# Altium PCB COEX GPS PCB.PcbDoc (continued)
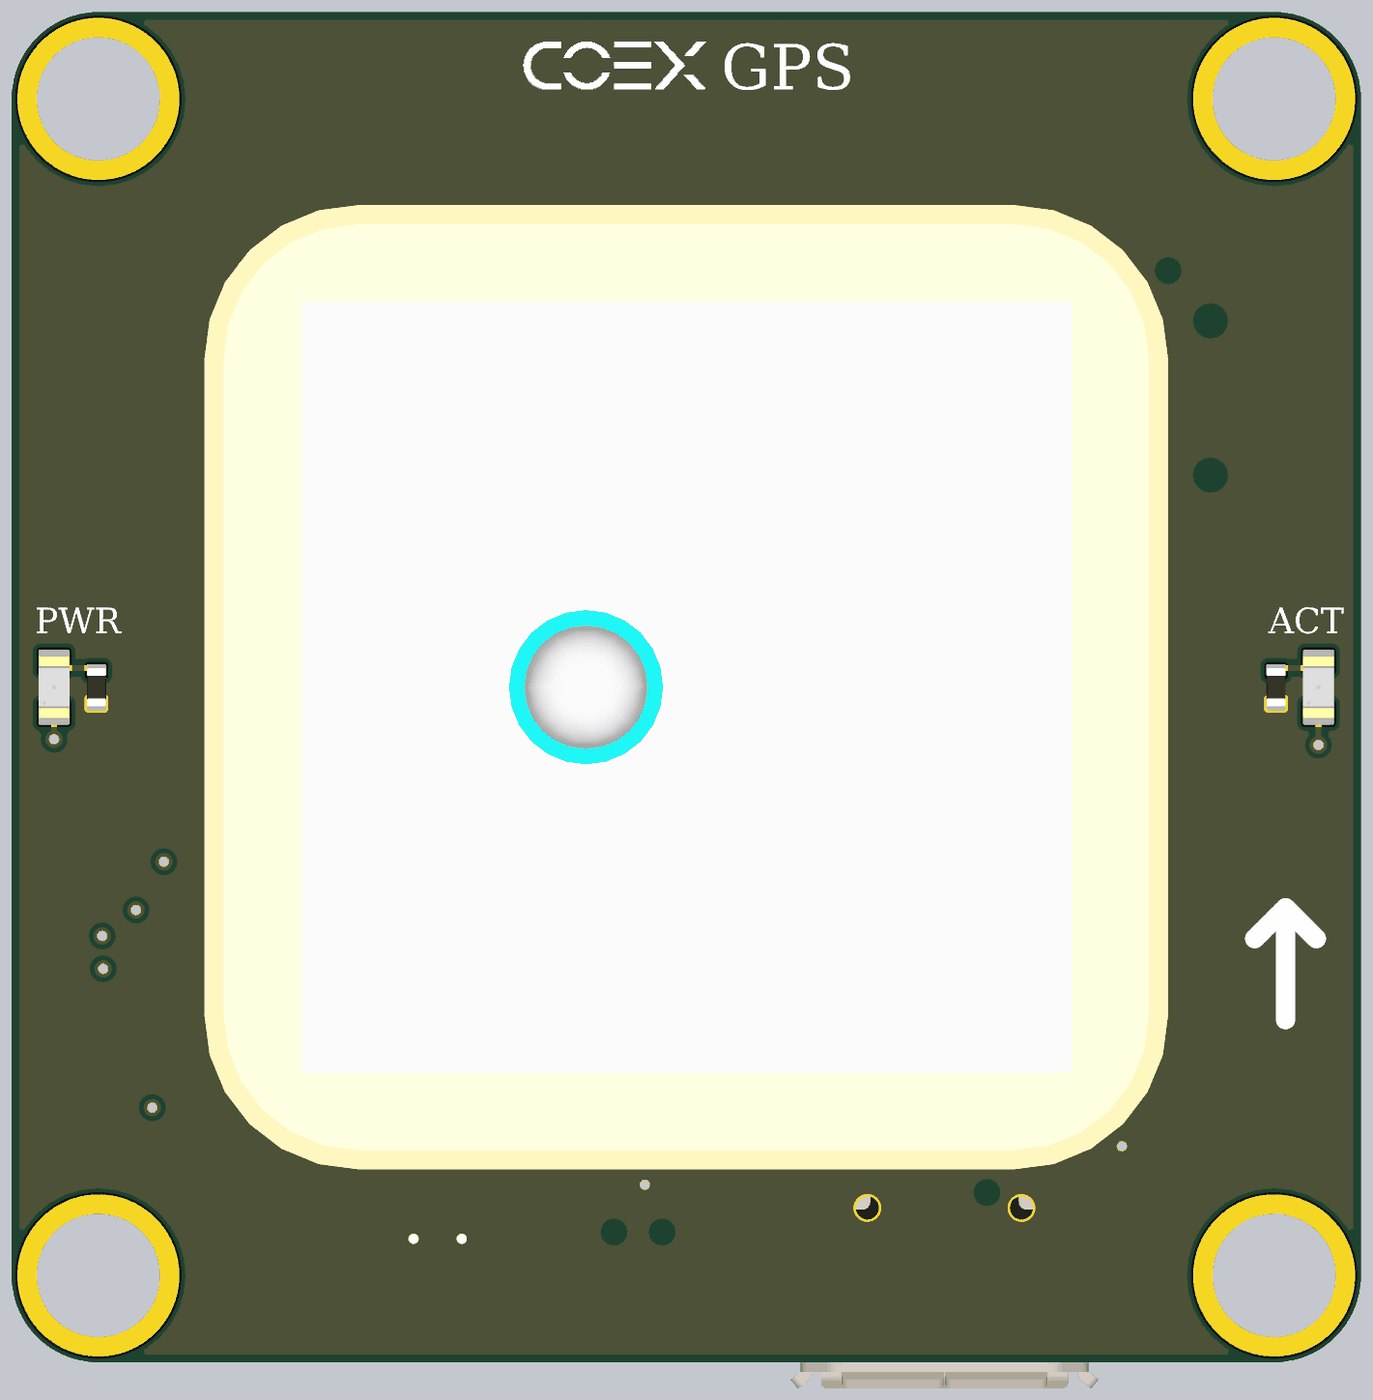
[diagram p5: 3D render of the assembled board from below, using the file's embedded part models]

## Layer stack, top to bottom
Top Solder: solder mask 0.0254, SM-001, Dk 3.8
Top L: signal copper 0.035
Prepreg: prepreg 0.2083, PP-022, Dk 4.5
IL1: signal copper 0.0175
Core: core 0.6096, Core-038, Dk 4.6
IL2: signal copper 0.0175
Prepreg2: prepreg 0.2083, PP-022, Dk 4.5
Bot. L: signal copper 0.035
Bottom Solder: solder mask 0.0254, SM-001, Dk 3.8

## Board outline
2.25,0 cw(c2.25,2.25) 0,2.25 0,32.75 cw(c2.25,32.75) 2.25,35 32.75,35 cw(c32.75,32.75) 35,32.75 35,2.25 cw(c32.75,2.25) 32.75,0

## Design rules (kind name [scope] priority, off if disabled: settings)
AcuteAngle [All] p1: minimum=6.00000000000000E+0001 checktracksonly=TRUE
BoardOutlineClearance [All] p1: gap=0.15 ignorepadtopadclearanceinfootprint=FALSE except(0: Arc-SplitContinuation Track-SplitContinuation SMDPad-SplitContinuation THPad-SplitContinuation Via-SplitContinuation Fill-SplitContinuation Poly-SplitContinuation Region-SplitContinuation Text-SplitContinuation; 0.1: Track-OutlineEdge Track-CavityEdge Track-CutoutEdge Track-SplitBarrior; 0.25: Text-OutlineEdge Text-CavityEdge Text-CutoutEdge Text-SplitBarrior)
Clearance DP [InNetClass('DP')] p1: gap=0.15 ignorepadtopadclearanceinfootprint=FALSE except(0: Arc-Hole Track-Hole SMDPad-Hole THPad-Hole Via-Hole Fill-Hole Poly-Hole Region-Hole Text-Hole; 0.09: Arc-Arc Arc-Track Arc-SMDPad Arc-THPad Track-Track Track-SMDPad Track-THPad SMDPad-SMDPad SMDPad-THPad THPad-THPad; 0.12: Via-Via Via-Fill Via-Poly Via-Region; 0.13: Arc-Via Track-Via SMDPad-Via THPad-Via; 0.2: Arc-Text Track-Text SMDPad-Text THPad-Text Via-Text Fill-Text Poly-Text Region-Text Text-Text; 0.3: Arc-Fill Arc-Poly Arc-Region Track-Fill Track-Poly Track-Region)
Clearance RF [InNetClass('RF')] p2: gap=0.3 ignorepadtopadclearanceinfootprint=FALSE except(0: Arc-Hole Track-Hole SMDPad-Hole THPad-Hole Via-Hole Fill-Hole Poly-Hole Region-Hole Text-Hole; 0.09: Arc-Arc Arc-Track Arc-SMDPad Arc-THPad Track-Track Track-SMDPad Track-THPad SMDPad-SMDPad SMDPad-THPad THPad-THPad; 0.12: Via-Via; 0.13: Arc-Via Track-Via SMDPad-Via THPad-Via; 0.15: SMDPad-Fill SMDPad-Poly SMDPad-Region Fill-Fill Fill-Poly Fill-Region Poly-Poly Poly-Region Region-Region; 0.2: Arc-Text Track-Text SMDPad-Text THPad-Text Via-Text Fill-Text Poly-Text Region-Text Text-Text; 0.4: Via-Fill Via-Poly Via-Region)
Clearance [All] p3: gap=0.15 ignorepadtopadclearanceinfootprint=FALSE except(0: Arc-Hole Track-Hole SMDPad-Hole THPad-Hole Via-Hole Fill-Hole Poly-Hole Region-Hole Text-Hole; 0.09: Arc-Arc Arc-Track Arc-SMDPad Arc-THPad Track-Track Track-SMDPad Track-THPad SMDPad-SMDPad SMDPad-THPad THPad-THPad; 0.12: Via-Via Via-Fill Via-Poly Via-Region; 0.13: Arc-Via Track-Via SMDPad-Via THPad-Via; 0.2: Arc-Text Track-Text SMDPad-Text THPad-Text Via-Text Fill-Text Poly-Text Region-Text Text-Text)
DiffPairsRouting [All] p1: maxlimit=0.254 minlimit=0.1 mostfreqgap=0.1 toplayer_minwidth=0.09 toplayer_maxwidth=0.15 toplayer_prefwidth=0.1 midlayer1_minwidth=0.09 midlayer1_maxwidth=0.15 midlayer1_prefwidth=0.1 midlayer2_minwidth=0.09 midlayer2_maxwidth=0.15 midlayer2_prefwidth=0.1 bottomlayer_minwidth=0.09 bottomlayer_maxwidth=0.15 bottomlayer_prefwidth=0.1 maxuncoupledlength=12.7
HoleSize [All] p1: absolutevalues=TRUE maxlimit=6 minlimit=0.2 maxpercent=80.000 minpercent=20.000
HoleToHoleClearance [All] p1: gap=0.4 allowstackedmicrovias=TRUE
MinimumAnnularRing [All] p1: minimumring=0.15
MinimumSolderMaskSliver [All] p1: minsoldermaskwidth=0.25
PlaneClearance [All] p1: clearance=0.15
PlaneConnect [All] p1: planeconnectstyle=Direct reliefexpansion=0.508 reliefentries=4 reliefconductorwidth=0.254 reliefairgap=0.254
PolygonConnect [All] p1: connectstyle=Direct reliefconductorwidth=0.254 reliefentries=4 polygonreliefangle="90 Angle" airgapwidth=0.254
RoutingCorners [All] p1: cornerstyle=45-Degree minsetback=1 maxsetback=1
RoutingVias [All] p1: holewidth=0.25 width=0.45 viastyle="Through Hole" minholewidth=0.2 minwidth=0.45 maxholewidth=1 maxwidth=2
SilkToSilkClearance [All] p1: silktosilkclearance=0.25
SilkToSolderMaskClearance [IsPad] p1: minsilkscreentomaskgap=0.25 clearancetoexposedcopper=TRUE
SolderMaskExpansion [All] p1: expansion=0.06 istentingtop=FALSE
UnRoutedNet [All] p1: checkbadconnections=TRUE
ViasUnderSMD [All] p1: allowed=TRUE
Width [All] p1: maxlimit=2 minlimit=0.09 preferedwidth=0.2 minimp=50.000000 maximp=50.000000 favimp=50.000000
20 further rules are at their usual default settings.

## Classes and differential pairs
net class DP: M8030_USB_N M8030_USB_P
net class RF: M8030_RFIN MAX2659_RFIN
component class "COEX GPS schematics": B1 C1 C2 C3 C4 C5 C6 C7 C8 C9 C10 C11 C12 C13 C14 C15 C16 C17 C18 C19 C20 C21 C22 C23 D1 D2 L1 L2 L3 L4 L5 L6 L7 L8 L9 L10 LED1 LED2 R1 R2 R3 R4 R5 R6 R7 R8 R9 R10 U1 U2 U3 U4 U5 U6 U7 U8 U9 X1
differential pair M8030_USB: +M8030_USB_P -M8030_USB_N

## Components (designator, comment, footprint, x,y, rotation, side; value= is the part's Value field where it differs from the comment)
B1 "XH414HG-IV01E" Supercapacitor 25.5,32.2 r270 top
C1 "10uf" "Capasitor 0402" 32.05,8.8 r270 top
C2 "10uf" "Capasitor 0402" 29.9,11.95 r270 top
C3 "10uf" "Capasitor 0402" 27.25,7.9 r270 top
C4 "10uf" "Capasitor 0402" 28.95,6.7 r180 top
C5 "10uf" "Capasitor 0402" 8.725,10.7 r180 top
C6 "10uf" "Capasitor 0402" 6.58,13.5 r0 top
C7 "470pf" "Capasitor 0402" 19.825,21.375 r90 top
C8 "100nf" "Capasitor 0402" 18.425,25.25 r0 top
C9 "100nf" "Capasitor 0402" 16.375,25.25 r180 top
C10 "15pf" "Capasitor 0402" 13.4,24.425 r0 top
C11 "100nf" "Capasitor 0402" 16.3,14.55 r270 top
C12 "2.2uf" "Capasitor 0402" 11.896,25.124 r270 top
C13 "6pf" "Capasitor 0402" 8.55,21.425 r90 top
C14 "6pf" "Capasitor 0402" 8.55,23.125 r90 top
C15 "100nf" "Capasitor 0402" 16.75,21.5 r180 top
C16 "100nf" "Capasitor 0402" 17.3,20.2 r270 top
C17 "2.2uf" "Capasitor 0402" 10.85,16 r90 top
C18 "100nf" "Capasitor 0402" 8.9,24.95 r90 top
C19 "100nf" "Capasitor 0402" 10.9,25.3 r90 top
C20 "100nf" "Capasitor 0402" 9.9,16 r270 top
C21 "100nf" "Capasitor 0402" 7.95,16.8 r270 top
C22 "100nf" "Capasitor 0402" 7.975,18.75 r90 top
C23 "100nf" "Capasitor 0402" 6.58,14.55 r0 top
D1 "*" SOD-523F 27.475,28.4 r90 top
D2 "*" SOD-523F 7.725,5.6 r90 top
Des73 "Comment" "GPD PATCH ANTENNA (25x25 mm)" 17.5,17.5 r270 bottom locked
L1 "" "Ferrite bead 0402" 28.85,11.95 r270 top
L2 "" "Ferrite bead 0402" 32.05,7.05 r90 top
L3 "" "Ferrite bead 0402" 19.057,23.218 r135 top value=6.8nh
L4 "" "Ferrite bead 0402" 16.3,20.2 r270 top
L5 "" "Ferrite bead 0402" 6.975,16.8 r90 top
L6 "" "Ferrite bead 0402" 8.925,16 r90 top
L7 "" "Ferrite bead 0402" 7,18.75 r90 top
L8 "" "Ferrite bead 0402" 7.9,24.95 r90 top
L9 "" "Ferrite bead 0402" 9.9,25.3 r90 top
L10 "" "Ferrite bead 0402" 18.425,26.25 r0 top
LED1 "" "Led 0603" 33.9,17.5 r270 bottom
LED2 "" "Led 0603" 1.1,17.5 r270 bottom
R1 "2.2k" "Resistor 0402" 31.05,11.925 r270 top
R2 "2.2k" "Resistor 0402" 32.05,10.625 r270 top
R3 "10k" "Resistor 0402" 15.95,26.55 r90 top
R4 "220" "Resistor 0402" 20.825,6.55 r90 top
R5 "220" "Resistor 0402" 22.075,6.55 r90 top
R6 "10k" "Resistor 0402" 27.125,27.3 r0 top
R7 "220" "Resistor 0402" 32.8,17.5 r270 bottom
R8 "220" "Resistor 0402" 2.2,17.5 r270 bottom
R9 "22" "Resistor 0402" 8.4,6.6 r180 top
R10 "22" "Resistor 0402" 8.4,7.5 r180 top
T1 "Comment" "RF SHIELD CLIP" 23.6,19.1 r90 top
T2 "Comment" "RF SHIELD CLIP" 14.5,10 r0 top
T3 "Comment" "RF SHIELD CLIP" 5.4,19.1 r90 top
T4 "Comment" "RF SHIELD CLIP" 14.5,28.2 r0 top
U1 "QMC5883L" "LGA16 3x3mm" 29.65,9.1 r270 top
U2 "" "QFN40 (5x5 mm)" 11.95,20.675 r270 top
U3 "JST-GH 6" "JST-GH 6 PIN" 22.7,2.625 r180 top
U4 "LP5907" SOT23-5 9.2,13.1 r270 top value=1.2-3.3v
U5 "MAX2659ELT+T" "UDFN6 (1.5 x 1 mm)" 17.275,23.45 r180 top
U6 "SAFEA1G58KA0F00R15" SAFEA1G58KA0F00 20.1,19.575 r90 top
U7 "X1G004171003400" SMD-2520_4P 13.844,26.166 r270 top value="26 Mhz"
U8 "W25Q16JV" "USON-8 (4x3 mm)" 13.5,15.35 r270 top
U9 "" "Micro USB" 10.801,2.064 r180 top
X1 "D31-032768-BDTD41" "SMD 3215 OSC" 7.15,22.275 r90 top

## Footprints (in the part's own frame and the unit in brackets; to place one, negate y for a bottom-side part, rotate by r counter-clockwise, add the part's x,y. Pads: shape width x height; smd on the part's side, far side on the other; paste and mask are expansions set on the pad)
"Capasitor 0402" [mm]
  rrect15% 0.4x0.6 smd mask+0.08: 1(-0.475,0) 2(0.475,0)
  body extent -0.5,-0.25 0.5,0.25, height 0.45
"Ferrite bead 0402" [mm]
  rrect15% 0.4x0.6 smd mask+0.08: 1(-0.45,0) 2(0.45,0)
  body extent -0.5,-0.25 0.5,0.25, height 0.5
"GPD PATCH ANTENNA (25x25 mm)" [mm]
  round 1.4 hole 1: 1(0,-2.6)
  body extent -12.5,-12.5 12.5,12.5, height 5
"JST-GH 6 PIN" [mm]
  rrect30% 0.5x1.5 smd: 1(3.125,-1.975) 2(1.875,-1.975) 3(0.625,-1.975) 4(-0.625,-1.975) 5(-1.875,-1.975) 6(-3.125,-1.975)
  rrect10% 1x2.7 smd: 7(-5,1.034) 7(5,1.034)
  body extent -5.38,-2.5 5.37,2.35, height 4.25
"Led 0603" [mm]
  rrect15% 0.6x0.8 smd: 1(-0.675,0) 2(0.675,0)
  silkscreen extent -0.2,-0.3 0.05,0.3, body extent -0.8,-0.4 0.8,0.4, height 0.35
"LGA16 3x3mm" [mm]
  rrect50% 0.4x0.25 smd: 1(-1.35,0.75) 2(-1.35,0.25) 3(-1.35,-0.25) 4(-1.35,-0.75) 9(1.35,-0.75) 10(1.35,-0.25) 11(1.35,0.25) 12(1.35,0.75)
  rrect50% 0.25x0.4 smd: 5(-0.75,-1.35) 6(-0.25,-1.35) 7(0.25,-1.35) 8(0.75,-1.35) 13(0.75,1.35) 14(0.25,1.35) 15(-0.25,1.35) 16(-0.75,1.35)
  silkscreen extent -1.8,1.6 -1.6,1.8, body extent -1.5,-1.5 1.5,1.5, height 0.9
"Micro USB" [mm]
  rrect20% 0.4x1 smd: 1(1.3,-2.325) 2(0.65,-2.325) 3(0,-2.325) 4(-0.651,-2.325) 5(-1.301,-2.325)
  rrect5% 1.5x1.2 smd: 5(-3.35,0.164) 5(3.35,0.164)
  rrect5% 1x0.8 smd: 5(-3.002,-1.984) 5(3,-1.987)
  rrect5% 1.8x1.9 smd paste-0.15: 5(-1.099,0.164) 5(1.1,0.164)
  round 0.6 hole 0.6: 6(-2.001,-1.937) 6(1.997,-1.936)
  body extent -3.99,-2.69 3.99,2.74, height 2.73
"QFN40 (5x5 mm)" [mm]
  rrect30% 0.55x0.2 smd: 1(-2.373,1.794) 2(-2.373,1.394) 3(-2.373,0.994) 4(-2.373,0.594) 5(-2.373,0.194) 6(-2.373,-0.206) 7(-2.373,-0.606) 8(-2.373,-1.006) 9(-2.373,-1.391) 10(-2.373,-1.791) 21(2.377,-1.791) 22(2.377,-1.391) 23(2.377,-1.006) 24(2.377,-0.606) 25(2.377,-0.206) 26(2.377,0.194) 27(2.377,0.594) 28(2.377,0.994) 29(2.377,1.394) 30(2.377,1.794)
  rrect30% 0.2x0.55 smd: 11(-1.791,-2.377) 12(-1.391,-2.377) 13(-1.006,-2.377) 14(-0.606,-2.377) 15(-0.206,-2.377) 16(0.194,-2.377) 17(0.594,-2.377) 18(0.994,-2.377) 19(1.394,-2.377) 20(1.794,-2.377) 31(1.791,2.377) 32(1.391,2.377) 33(1.006,2.377) 34(0.606,2.377) 35(0.206,2.377) 36(-0.194,2.377) 37(-0.594,2.377) 38(-0.994,2.377) 39(-1.394,2.377) 40(-1.794,2.377)
  rrect5% 3.3x3.3 smd: 41(0,0)
  silkscreen extent -2.73,2.57 -2.57,2.73, body extent -2.51,-2.51 2.51,2.51, height 0.63
"Resistor 0402" [mm]
  rrect25% 0.35x0.5 smd: 1(-0.425,0) 2(0.425,0)
  body extent -0.5,-0.25 0.5,0.25, height 0.35
"RF SHIELD CLIP" [mm]
  rrect10% 0.75x0.8 smd: 1(-2.875,0) 1(2.875,0)
  rrect10% 1.6x0.8 smd: 1(0,0)
  body extent -3.25,-0.46 3.25,0.47, height 1.28
SAFEA1G58KA0F00 [mm]
  rrect20% 0.25x0.35 smd: 1(-0.5,0)
  rrect20% 0.25x0.325 smd: 2(0,-0.285) 3(0.5,-0.285) 4(0.5,0.285) 5(0,0.285)
  silkscreen extent -0.9,-0.72 -0.75,-0.58
"SMD 3215 OSC" [mm]
  rrect10% 0.65x1.3 smd: 1(-1.175,0) 2(1.175,0)
  body extent -1.6,-0.75 1.6,0.75, height 0.8
SMD-2520_4P [mm]
  rrect20% 0.65x0.65 smd: 1(-0.65,0.9) 2(-0.65,-0.9) 3(0.65,-0.9) 4(0.65,0.9)
  silkscreen extent -1.26,1.44 -1.19,1.51, body extent -1,-1.25 1,1.25, height 0.69
SOD-523F [mm]
  rrect30% 0.4x0.5 smd: 1(0,0.775) 2(0,-0.775)
  silkscreen extent -0.3,-0.12 0.3,0.18, body extent -0.45,-0.83 0.45,0.87, height 0.7
SOT23-5 [mm]
  rrect50% 0.7x0.5 smd mask+0.06: 1(1.45,-0.95) 2(1.45,0) 3(1.45,0.95) 4(-1.45,0.95) 5(-1.45,-0.95)
  silkscreen extent 0.27,-1.03 0.43,-0.87, body extent -1.6,-1.5 1.6,1.5, height 0.91
Supercapacitor [mm] "XH414HG-IV01E"
  rrect15% 0.8x1.8 smd rot 45: 1(2.05,2.05)
  rrect15% 3.5x1 smd: 2(0.7,-1.95)
  Top L region: 3.575,1.725
  body extent -2.4,-2.4 2.4,2.4, height 1.63
"UDFN6 (1.5 x 1 mm)" [mm]
  rrect20% 0.4x0.25 smd: 1(-0.35,0.5) 2(-0.35,0) 3(-0.35,-0.5) 4(0.35,-0.5) 5(0.35,0) 6(0.35,0.5)
  silkscreen extent -0.65,0.85 -0.6,0.9
"USON-8 (4x3 mm)" [mm]
  rrect30% 0.7x0.3 smd: 1(-1.25,1.2) 2(-1.25,0.4) 3(-1.25,-0.4) 4(-1.25,-1.2) 5(1.25,-1.2) 6(1.25,-0.4) 7(1.25,0.4) 8(1.25,1.2)
  rrect30% 0.2x0.8 smd: 9(0,0.8) 9(0,-0.8)
  silkscreen extent -1.79,2.11 -1.61,2.29, body extent -1.5,-2 1.5,2, height 0.55

## Part data
B1: library part "Lithium battery", "80mF (EDLC) Supercapacitor 3.3V Coin", Manufacturer="Seiko Instruments", HelpURL=https://www.digikey.com/product-detail/en/seiko-instruments/XH414HG-IV01E/728-1050-2-ND/1889201, Partnumber=XH414HG-IV01E
C1 C2 C3 C4 C5 C6 C7 C8 C9 C10 C11 C12 C15 C16 C17 C18 C19 C20 C21 C22 C23: library part "CAPASITOR MLCC", Component package=0402
C13 C14: library part "Capacitor MLCC", Component package=0402
D1 D2: library part "Schottky barrier diode"
L1 L2 L3 L4 L5 L6 L7 L8 L9 L10: library part "FB / Inductor"
LED1 LED2: library part LED, Component package=0603
R1 R2 R4 R5 R7 R8 R9 R10: library part Resistor
R3 R6: library part Resistor, Component package=0402, Manufacturer=YAGEO, Part number=RC0402FR-0710KL, HelpURL=https://lcsc.com/product-detail/Chip-Resistor-Surface-Mount_10KR-1002-1_C60490.html
U1: "3-Axis Magnetic Sensor", Component package="LGA16 (3x3 mm)", Partnumber=QMC5883L
U2: library part "UBX M8030"
U4: "Linear Voltage Regulators SOT-23-5", Component package=SOT23-5, Manufacturer="Texas Instruments", HelpURL=https://lcsc.com/product-detail/Linear-Voltage-Regulators_TI_LP5907MFX-3-3-NOPB_LP5907MFX-3-3-NOPB_C80670.html, Partnumber=LP5907
U5: "GPS/GNSS Low-Noise Amplifier", Component package=uDFN-6, Manufacturer="Maxim Integrated", HelpURL=https://lcsc.com/product-detail/Low-Noise-OpAmps_MAXIM_MAX2659ELT-T_MAX2659ELT-T_C28043.html, Partnumber=MAX2659ELT+T
U6: Manufacturer="Murata Electronics", HelpURL=https://lcsc.com/product-detail/Filters_muRata_SAFEA1G58KA0F00R15_SAFEA1G58KA0F00R15_C91641.html, Partnumber=SAFEA1G58KA0F00R15
U7: library part SIT1602, "26MHz 1.6V ~ 3.6V SMD-2520_4P SMD Oscillator", Component package=SMD-2520_4P, Manufacturer="Seiko Epson", HelpURL=https://lcsc.com/product-detail/Others_Seiko-Epson_X1G004171003400_Seiko-Epson-X1G004171003400_C255995.html, Partnumber=X1G004171003400
U8: "FLASH - NOR Memory IC 16Mb (2M x 8) SPI - Quad I/O", Manufacturer="Winbond Electronics", HelpURL=https://www.digikey.com/products/en/integrated-circuits-ics/memory/774?k=W25Q16JV&k=&pkeyword=W25Q16JV&sv=0&pv1291=295148&sf=0&quantity=&ColumnSort=0&page=1&pageSize=25, Partnumber=W25Q16JV
U9: library part "Micro USB"
X1: library part "SMD OSCILLATOR 2 PIN", "SMD crystal resonator 3215 2 pin", Component package=SMD-3215, Manufacturer=AKER, HelpURL=https://lcsc.com/product-detail/SMD-Crystal-Resonators_AKER-D31-032768-BDTD41_C369191.html, Partnumber=D31-032768-BDTD41
U3: Component package="JST-GH 6", Partnumber="JST-GH 6"

## Free pads (board coordinates)
  round 4.2 hole 3.2: M3(2.25,2.25) M3(2.25,32.75) M3(32.75,2.25) M3(32.75,32.75)

## Via types
v1: diameter 0.45, hole 0.25, Top L to Bot. L, tented both sides, 55 vias
v2: diameter 0.45, hole 0.3, Top L to Bot. L, tented both sides, 48 vias

## Nets (pads, with @x,y where several pads share a name; then routed paths per layer and width w, separated by ;. In a path a pad name is that pad's centre, name@x,y a point inside that pad or via, vN(x,y) a via of type N, cw(c..) or ccw(c..) an arc to the next point about the centre after c; other vN are vias at no path point)
5V: C5.2 D2.1 D2.2 U3.1 U4.1 U4.3 U9.1 | length 24
  Top L w0.2: v1@6.2,5.6 D2.1 ; v1(8.25,9.6) 8.25,10.625 U4.1 ; D2.2 9.2,5.6 9.501,5.299 U9.1 ; v1(18.575,4.6) U3.1
  IL1 w0.2: v1(6.2,5.6) 7.1,5.6 8.25,6.75 v1(8.25,9.6)
  IL2 w0.2: v1(6.2,5.6) 7.2,4.6 v1(18.575,4.6)
GND: B1.2 C1.1 C2.1 C4.2 C5.1 C6.1 C8.2 C9.1 C10.2 C11.1 C12.1 C13.1 C14.2 C15.1 C16.1 C17.1 C18.2 C19.2 C20.2 C21.2 C22.2 C23.1 R7.2 R8.2 T1.1 T2.1 T3.1 T4.1 U1.9 U1.11 U2.41 U3.6 U3.7 U4.2 U4.4 U5.1 U5.2 U6.2 U6.3 U6.5 U7.2 U8.4 U8.9 U9.5
  other v1: 10.897,19.628 11.597,19.628 12.297,19.628 12.997,19.628 10.897,20.328 11.597,20.328 12.297,20.328 12.997,20.328 10.897,21.028 11.597,21.028 12.297,21.028 12.997,21.028 10.897,21.728 11.597,21.728 12.297,21.728 12.997,21.728
  other v2: 20.12,16.26 19.669,16.341 20.568,16.362 19.277,16.576 20.957,16.608 18.997,16.943 21.217,16.985 18.877,17.379 21.33,17.424 18.907,17.834 21.277,17.877 19.116,18.24 21.056,18.273 19.393,18.604 20.812,18.654 19.386,19.06 20.816,19.113 19.148,19.905 19.094,20.358 20.526,20.47 19.094,20.813 20.54,20.924 19.126,21.274 20.524,21.38 19.103,21.738 20.538,21.834 15.924,22.153 19.061,22.193 16.374,22.241 16.842,22.253 20.518,22.291 17.254,22.462 18.754,22.532 20.397,22.731 18.431,22.859 20.157,23.114 18.089,23.172 14.596,23.177 15.041,23.265 19.833,23.438 15.432,23.513 15.874,23.642 16.336,23.672 19.506,23.757 19.193,24.093 18.846,24.391 18.429,24.597
M8030_DSEL: U2.33
M8030_EXTINT: U2.14
M8030_LNAEN: U2.37
M8030_MAINCLK: C10.1 U2.3 U7.3 | length 2.5
  Top L w0.15: U2.3@12.925,23.025 12.944,23.044 U2.3 12.944,24.248 U7.3
M8030_RESETN: U2.17
M8030_RFIN: U2.40 U5.6 | length 2.2
  Top L w0.34: 14.65,22.469 14.917,22.469 ccw(c14.917,23.258) 15.475,22.7 cw(c16.079,22.096) 16.079,22.95 U5.6@16.725,22.95
M8030_RTC_XI: C14.1 U2.11 X1.2 | length 2.3
  Top L w0.15: X1.2@7.625,23.3 8.15,22.775 8.45,22.775 8.55,22.675 9,22.675 9.2,22.475 9.564,22.475 U2.11
M8030_RTC_XO: C13.2 U2.12 X1.1 | length 2.3
  Top L w0.15: X1.1@7.625,21.25 7.725,21.35 8.15,21.775 8.45,21.775 8.55,21.875 9,21.875 9.191,22.066 U2.12
M8030_SAFEBOOT: U2.34
M8030_SCL: U2.31
M8030_SDA: U2.32
M8030_TIMEPULSE: LED2.1 LED2.2 R8.1 U2.35 | length 22
  Top L w0.15: U2.35 14.769,20.469 v1(15.125,20.825)
  IL1 w0.15: v1(1.1,16) 1.1,18.625 5.15,22.675 13.275,22.675 v1(15.125,20.825)
  Bot. L w0.15: v1(1.1,16) LED2.2@1.1,16.8 ; LED2.1 1.275,18 R8.1@2.15,18
M8030_UART_RX: R4.1 R4.2 U2.18 U3.2 | length 22
  Top L w0.15: v1@8.8,19.8 8.856,19.8 8.975,19.681 U2.18 ; U3.2@20.825,4.475 R4.1 ; R4.2 v1(20.825,8.4)
  IL1 w0.15: v1(8.775,19.8) 8.3,19.325 8.3,18.725 12.7,14.325 14.2,14.325 20.125,8.4 v1(20.825,8.4)
M8030_UART_TX: R5.1 R5.2 U2.19 U3.3 | length 21.7
  Top L w0.15: v1(8.775,19.15) 8.856,19.15 8.987,19.281 U2.19 ; U3.3@22.075,4.475 R5.1 ; R5.2 v1(22.075,8.4)
  IL1 w0.15: v1(8.775,19.15) 13.075,14.85 14.75,14.85 20.285,9.315 21.159,9.315 v1(22.075,8.4)
M8030_USB_N: R9.1 R9.2 U2.8 U9.2 | length 44.3
  Top L w0.15: v1(6.4,6.7) 6.413,6.7 6.638,6.925 6.811,6.925 7,6.925 7.604,6.925 7.787,6.925 7.875,6.837 7.875,6.7 R9.2 ; R9.1 8.925,6.7 8.925,6.837 9.013,6.925 9.218,6.925 9.7,6.925 10.351,6.274 10.351,5.114 10.351,4.889 10.151,4.689 U9.2 ; U2.8 10.95,23.054 v1@10.95,23.775
  IL2 w0.15: v1(6.4,6.7) 6.387,6.7 6.162,6.925 5.989,6.925 4.921,6.925 1.55,10.296 1.55,27.004 3.696,29.15 9.304,29.15 10.65,27.804 10.65,24.419 10.65,24.113 10.975,23.787 v1(10.975,23.775)
M8030_USB_P: R10.1 R10.2 U2.10 U9.3 | length 43.6
  Top L w0.15: v1(6.4,7.4) 6.413,7.4 6.638,7.175 6.915,7.175 7.5,7.175 7.787,7.175 7.875,7.263 7.875,7.4 R10.2 ; R10.1 8.925,7.4 8.925,7.263 9.013,7.175 9.321,7.175 9.804,7.175 10.601,6.377 10.601,5.217 10.601,4.889 10.801,4.689 U9.3 ; v1(10.075,23.8) 10.075,23.719 10.159,23.635 U2.10
  IL2 w0.15: v1(6.4,7.4) 6.387,7.4 6.162,7.175 5.885,7.175 5.025,7.175 1.8,10.4 1.8,26.9 3.8,28.9 9.2,28.9 10.4,27.7 10.4,24.522 10.4,24.112 10.087,23.8 v1(10.075,23.8)
M8030_VBCKP: B1.1 D1.1 R6.1 R6.2 U2.6 | length 23.1
  Top L w0.15: U2.6 11.744,23.791 11.87,23.917 v1(11.87,23.998) ; R6.1 D1.1 26.7,29.3 B1.1 ; R6.2@27.6,27.3 v1(28.3,27.3)
  IL2 w0.15: v1(11.87,23.998) 15.671,27.8 27.8,27.8 v1(28.3,27.3)
MAX2659_RFIN: C7.1 C7.2 Des73.1 L3.1 L3.2 U5.3 U6.1 U6.4 | length 4.6
  Top L w0.34: 17.825,23.95 18.005,23.95 cw(c18.005,23.178) 18.551,23.724 L3.2 ; L3.1 19.58,22.695 cw(c18.988,22.103) 19.825,22.103 C7.2@19.825,21.825 ; U6.4@19.815,20.175 19.815,20.915 C7.1@19.825,20.925 ; Des73.1 Des73.1@20.1,17.575 ; U6.1@20.1,19 Des73.1@20.1,17.575 ; Des73.1@20.125,17.55 Des73.1@20.1,17.575
ME6209_3.3V: C6.2 C8.1 C9.2 C11.2 C18.1 C19.1 C20.1 C21.1 C22.1 C23.2 D1.2 L1.1 L2.1 L5.1 L5.2 L6.1 L6.2 L7.1 L7.2 L8.1 L8.2 L9.1 L9.2 L10.1 L10.2 LED1.1 LED1.2 R1.1 R2.1 R3.1 R7.1 U2.7 U2.9 U2.21 U2.22 U2.23 U4.5 U5.4 U5.5 U7.4 U8.8 | length 252.7
  Top L w0.15: v1@6.975,15.65 v1(6.975,15.675) L5.1 ; L7.1 U2.21@10.15,18.3 ; L7.2 v1(7,19.875) ; v1(7.2,25.4) L8.2 ; C21.1@7.95,17.25 10.15,17.25 10.559,17.659 U2.22 ; L8.1@8,24.5 9,24.5 9.225,24.275 10.25,24.275 10.5,24.025 10.5,23.983 10.505,23.978 10.505,23.545 10.55,23.5 10.55,23.125 U2.9@10.525,23.1 ; v1(8.925,14.875) L6.1 ; L6.2 C20.1@9.9,16.45 ; v1(9.4,26.5) 9.813,26.087 9.813,25.837 L9.2 ; L9.1@9.9,24.9 9.95,24.85 C19.1@10.9,24.85 ; C20.1@10,16.475 10.025,16.475 10.125,16.575 10.125,16.6 10.944,17.419 U2.23 ; C19.1@11,24.7 11,24.5 11.162,24.337 11.425,24.075 11.425,23.5 11.35,23.425 11.35,23.2 U2.7@11.325,23.175 ; U8.8 v1(17,14.1) ; U7.4 15.209,25.516 15.475,25.25 C9.2 15.925,25.25 R3.1@15.925,26.125 ; R3.1@15.925,26.1 R3.1 v1(16.7,26.125) ; U5.5 U5.4 16.925,24.2 C8.1@17.912,25.187 ; C8.1 17.975,25.275 L10.1 ; v1(18.875,27) L10.2 L10.2@18.9,26.225 ; D1.2@28.2,28.4 D1.2 v1(29,28.4) ; L1.1 v1(28.85,13.025) ; v1(31.05,12.975) 31.05,12.4 R1.1@31.075,12.375 ; v1(31.35,6.6) L2.1 L2.1@32.125,6.6 ; R2.1@32,11.05 R2.1 v1(32.65,11.05)
  Top L w0.2: C23.2 C6.2 7.055,12.113 7.25,11.918 v2(7.25,11.875) ; C23.2 U4.5
  IL2 w0.15: v1(6.975,15.675) 7.25,15.4 v2(7.25,11.875) ; v1(7,19.875) 6.25,19.125 6.25,12.875 v2(7.25,11.875) ; v1(7.2,25.4) 7.194,25.394 4.725,22.925 4.725,12.175 5.675,11.225 6.6,11.225 v2(7.25,11.875) ; v1@8.9,14.875 8.925,14.85 8.925,12.075 8.725,11.875 ; v1(9.4,26.5) 9.4,26 5.425,22.025 5.425,12.65 6.2,11.875 v2(7.25,11.875) ; v1(16.7,26.125) 17.775,25.05 22.475,25.05 25.15,22.375 25.15,22.3 ; v1(17,14.1) 16.225,14.1 13.475,11.35 10.25,11.35 ; v1(18.875,27) 18.775,26.9 15.725,26.9 11.875,23.05 9.525,23.05 7.975,21.5 7.975,12.6 v2(7.25,11.875) ; 27.675,6.075 27.675,6.05 ; v1(28.85,13.025) 23.575,7.75 18.45,7.75 ; v1(29,28.4) 29,26.15 25.15,22.3 ; v1(31.05,12.975) 31.475,12.975 32.65,11.8 v1(32.65,11.05) 34.425,9.275 34.45,9.275 ; v1@31.375,6.6 31.025,6.95 12.175,6.95 v2(7.25,11.875) ; v1(33.9,16.15) 34.45,15.6 34.45,9.275 ; v2(7.25,11.875) 7.25,9.55 10.75,6.05 27.675,6.05 ; v2(7.25,11.875) 8.725,11.875 ; 8.725,11.875 8.75,11.875 9.275,11.35 10.25,11.35 ; 10.25,11.35 13.85,7.75 18.45,7.75 ; 18.45,7.75 25.15,14.45 25.15,22.3 ; 27.675,6.05 32.525,6.05 34.45,7.975 34.45,9.275
  Bot. L w0.15: R7.1@32.75,18 33.725,18 LED1.1 ; LED1.2@33.875,16.8 33.9,16.775 v1(33.9,16.15)
NetC3_1: C3.1 U1.8 | length 1
  Top L w0.2: C3.1@27.3,8.375 27.325,8.35 U1.8
NetC3_2: C3.2 U1.12 | length 4
  Top L w0.2: C3.2@27.15,7.5 27.2,7.45 27.25,7.45 28,7.45 28.767,8.217 30.233,8.217 30.394,8.056 30.394,7.756 U1.12
NetC12_2: C12.2 U2.5 | length 1.9
  Top L w0.15: C12.2@11.896,24.674 11.996,24.674 12.321,24.349 12.321,23.746 12.144,23.569 U2.5
NetC15_2: C15.2 L4.1 U2.1 U2.39 | length 4.4
  Top L w0.15: U2.1@13.75,23.025 13.75,22.625 13.8,22.575 13.8,22.25 13.981,22.069 U2.39 15.031,22.069 15.6,21.5 16.2,21.5 C15.2@16.3,21.6 ; L4.1@16.3,20.7 C15.2@16.3,21.5
NetC16_2: C16.2 L4.2 U2.38 | length 5.1
  Top L w0.15: U2.38 14.931,21.669 15.7,20.9 15.7,20.4 15.9,20.2 16.8,20.2 17.075,19.925 17.075,19.875 17.15,19.8 C16.2@17.2,19.8 ; L4.2@16.175,19.875 L4.2 L4.2@16.35,19.75 ; L4.2@16.3,19.8 L4.2@16.35,19.75 ; C16.2@17.2,19.7 17.15,19.75 L4.2@16.35,19.75
NetC17_2: C17.2 U2.24 | length 2.1
  Top L w0.15: C17.2@10.85,16.45 10.95,16.45 11.35,16.85 U2.24@11.35,18.3
QMC5883_C1: C4.1 U1.10 | length 1
  Top L w0.2: C4.1@29.4,6.725 U1.10
QMC5883_SCL: R1.2 U1.1 U3.4 | length 18.5
  Top L w0.15: U1.1 30.4,10.875 R1.2@30.925,11.4 ; R1.2 31.125,11.5 31.2,11.575 31.2,11.608 31.317,11.725 v1(31.775,11.725)
  Top L w0.2: v1(23.325,3.2) U3.4
  IL1 w0.2: v1(23.325,3.2) 23.325,8.575 26.475,11.725 v1(31.775,11.725)
QMC5883_SDA: R2.2 U1.16 U3.5 | length 16.9
  Top L w0.15: U1.16 31.35,9.85 31.7,10.2 R2.2@31.95,10.2 ; R2.2@32,10.2 R2.2 v1(32.625,10.2)
  Top L w0.2: v1(24.575,3.2) U3.5
  IL1 w0.2: v1(24.575,3.2) 24.575,7.988 26.762,10.175 v1@32.625,10.175
QMC5883_VDD: C2.2 L1.2 U1.2 | length 2.2
  Top L w0.15: L1.2@28.825,11.5 C2.2@29.9,11.5 ; C2.2@29.875,11.6 29.9,11.575 C2.2@29.9,11.5 ; U1.2 C2.2@29.9,11.5
QMC5883_VDDIO: C1.2 L2.2 U1.4 U1.13 | length 5.2
  Top L w0.15: U1.4 28.9,10.125 30.675,8.35 U1.13 32,8.35 C1.2@32.075,8.35 ; C1.2@32.05,8.35 C1.2@32.075,8.35 ; C1.2@32.125,8.4 C1.2@32.075,8.35
  Top L w0.2: C1.2@32,8.35 32.05,8.3 L2.2
ST: R3.2 U7.1 | length 1.3
  Top L w0.15: U7.1@14.75,26.825 15.325,26.825 15.475,26.975 R3.2
W25Q16_CLK: U2.26 U8.6 | length 6.2
  Top L w0.15: U2.26 12.144,17.914 12.255,17.803 12.255,17.576 12.35,17.481 v1@12.35,17.375 ; U8.6@13.075,14.1 13.1,14.075 v1(13.1,13.3)
  IL2 w0.15: v1(12.375,17.375) 12.375,14.025 v1(13.1,13.3)
W25Q16_CS: U2.29 U8.1 | length 2.6
  Top L w0.15: U2.29 13.344,17.945 13.7,17.589 14.361,17.589 14.7,17.25 U8.1
W25Q16_DI: U2.25 U8.5 | length 6.1
  Top L w0.15: v1@11.7,17.6 11.768,17.668 11.768,17.764 11.744,17.787 U2.25 ; v1(12.3,13.3) U8.5
  IL2 w0.15: v1(11.825,17.625) 11.825,13.775 v1(12.3,13.3)
W25Q16_DO: U2.28 U8.2 | length 2
  Top L w0.15: U2.28 12.944,17.894 13.844,16.994 U8.2@13.844,16.7
W25Q16_RESET: U2.30 U8.7 | length 6.7
  Top L w0.15: U2.30 14.245,18.298 14.379,18.165 v1(14.46,18.165) ; v1(13.9,13.3) U8.7@13.9,14.125
  IL2 w0.15: v1(13.9,13.3) 13.9,17.625 v1@14.45,18.175
W25Q16_WP: U2.27 U8.3 | length 1.9
  Top L w0.15: U2.27 12.544,17.845 13.1,17.289 U8.3
pads on no net: U1.3 U1.5 U1.6 U1.7 U1.14 U1.15 U2.2 U2.4 U2.13 U2.15 U2.16 U2.20 U2.36 U9.4 U9.6

## Polygon pours and split planes (outlines as drawn)
GND on Top L "Top L-No Net" (solid, remove dead copper, shelved, pour order 0): 2.25,0 cw(c2.25,2.25) 0,2.25 0,32.75 cw(c2.25,32.75) 2.25,35 32.75,35 cw(c32.75,32.75) 35,32.75 35,2.25 cw(c32.75,2.25) 32.75,0
GND on IL1 "Top L-No Net1" (solid, remove dead copper, shelved, pour order 1): 2.25,0 cw(c2.25,2.25) 0,2.25 0,32.75 cw(c2.25,32.75) 2.25,35 32.75,35 cw(c32.75,32.75) 35,32.75 35,2.25 cw(c32.75,2.25) 32.75,0
GND on IL2 "IL1-No Net" (solid, remove dead copper, shelved, pour order 2): 2.25,0 cw(c2.25,2.25) 0,2.25 0,32.75 cw(c2.25,32.75) 2.25,35 32.75,35 cw(c32.75,32.75) 35,32.75 35,2.25 cw(c32.75,2.25) 32.75,0
GND on Bot. L "IL2-No Net" (solid, remove dead copper, shelved, pour order 3): 2.25,0 cw(c2.25,2.25) 0,2.25 0,32.75 cw(c2.25,32.75) 2.25,35 32.75,35 cw(c32.75,32.75) 35,32.75 35,2.25 cw(c32.75,2.25) 32.75,0

## Keep-outs
Keep-Out Layer:
  the board outline again, w0.1

## Other copper
Top L:
  pour cut-out: 33,11.1 33,10.1 32.9,10.2 32.7,10.2 32.7,10.9 32.8,11
  pour cut-out: 19.371,21.655 19.371,21.095 20.279,21.095 20.279,21.655
  pour cut-out: 18.538,23.095 18.934,22.7 19.575,23.341 19.18,23.737

## Silkscreen, mask and mechanical layers (free items; w line width, h text height)
Top Overlay:
  text "Gusakov N.I." at 0.5,28.5 h1.3 r270
  text "Rev. 1.1" at 0.5,9.5 h1.3 r270
  text "UART/I2C" at 29,5.1 h1.5 r270
  text "USB" at 6,1.5 h1.5 r90
Bottom Overlay:
  drawing of 208 lines, arcs and shapes, not listed
  text "GPS" at 16.6,33 h2.3
  text "ACT" at 2.4,18.9 h1.3
  text "PWR" at 34.4,18.9 h1.3